# Altium PCB MiniPC.PcbDoc (part 2 of 23) (continued)
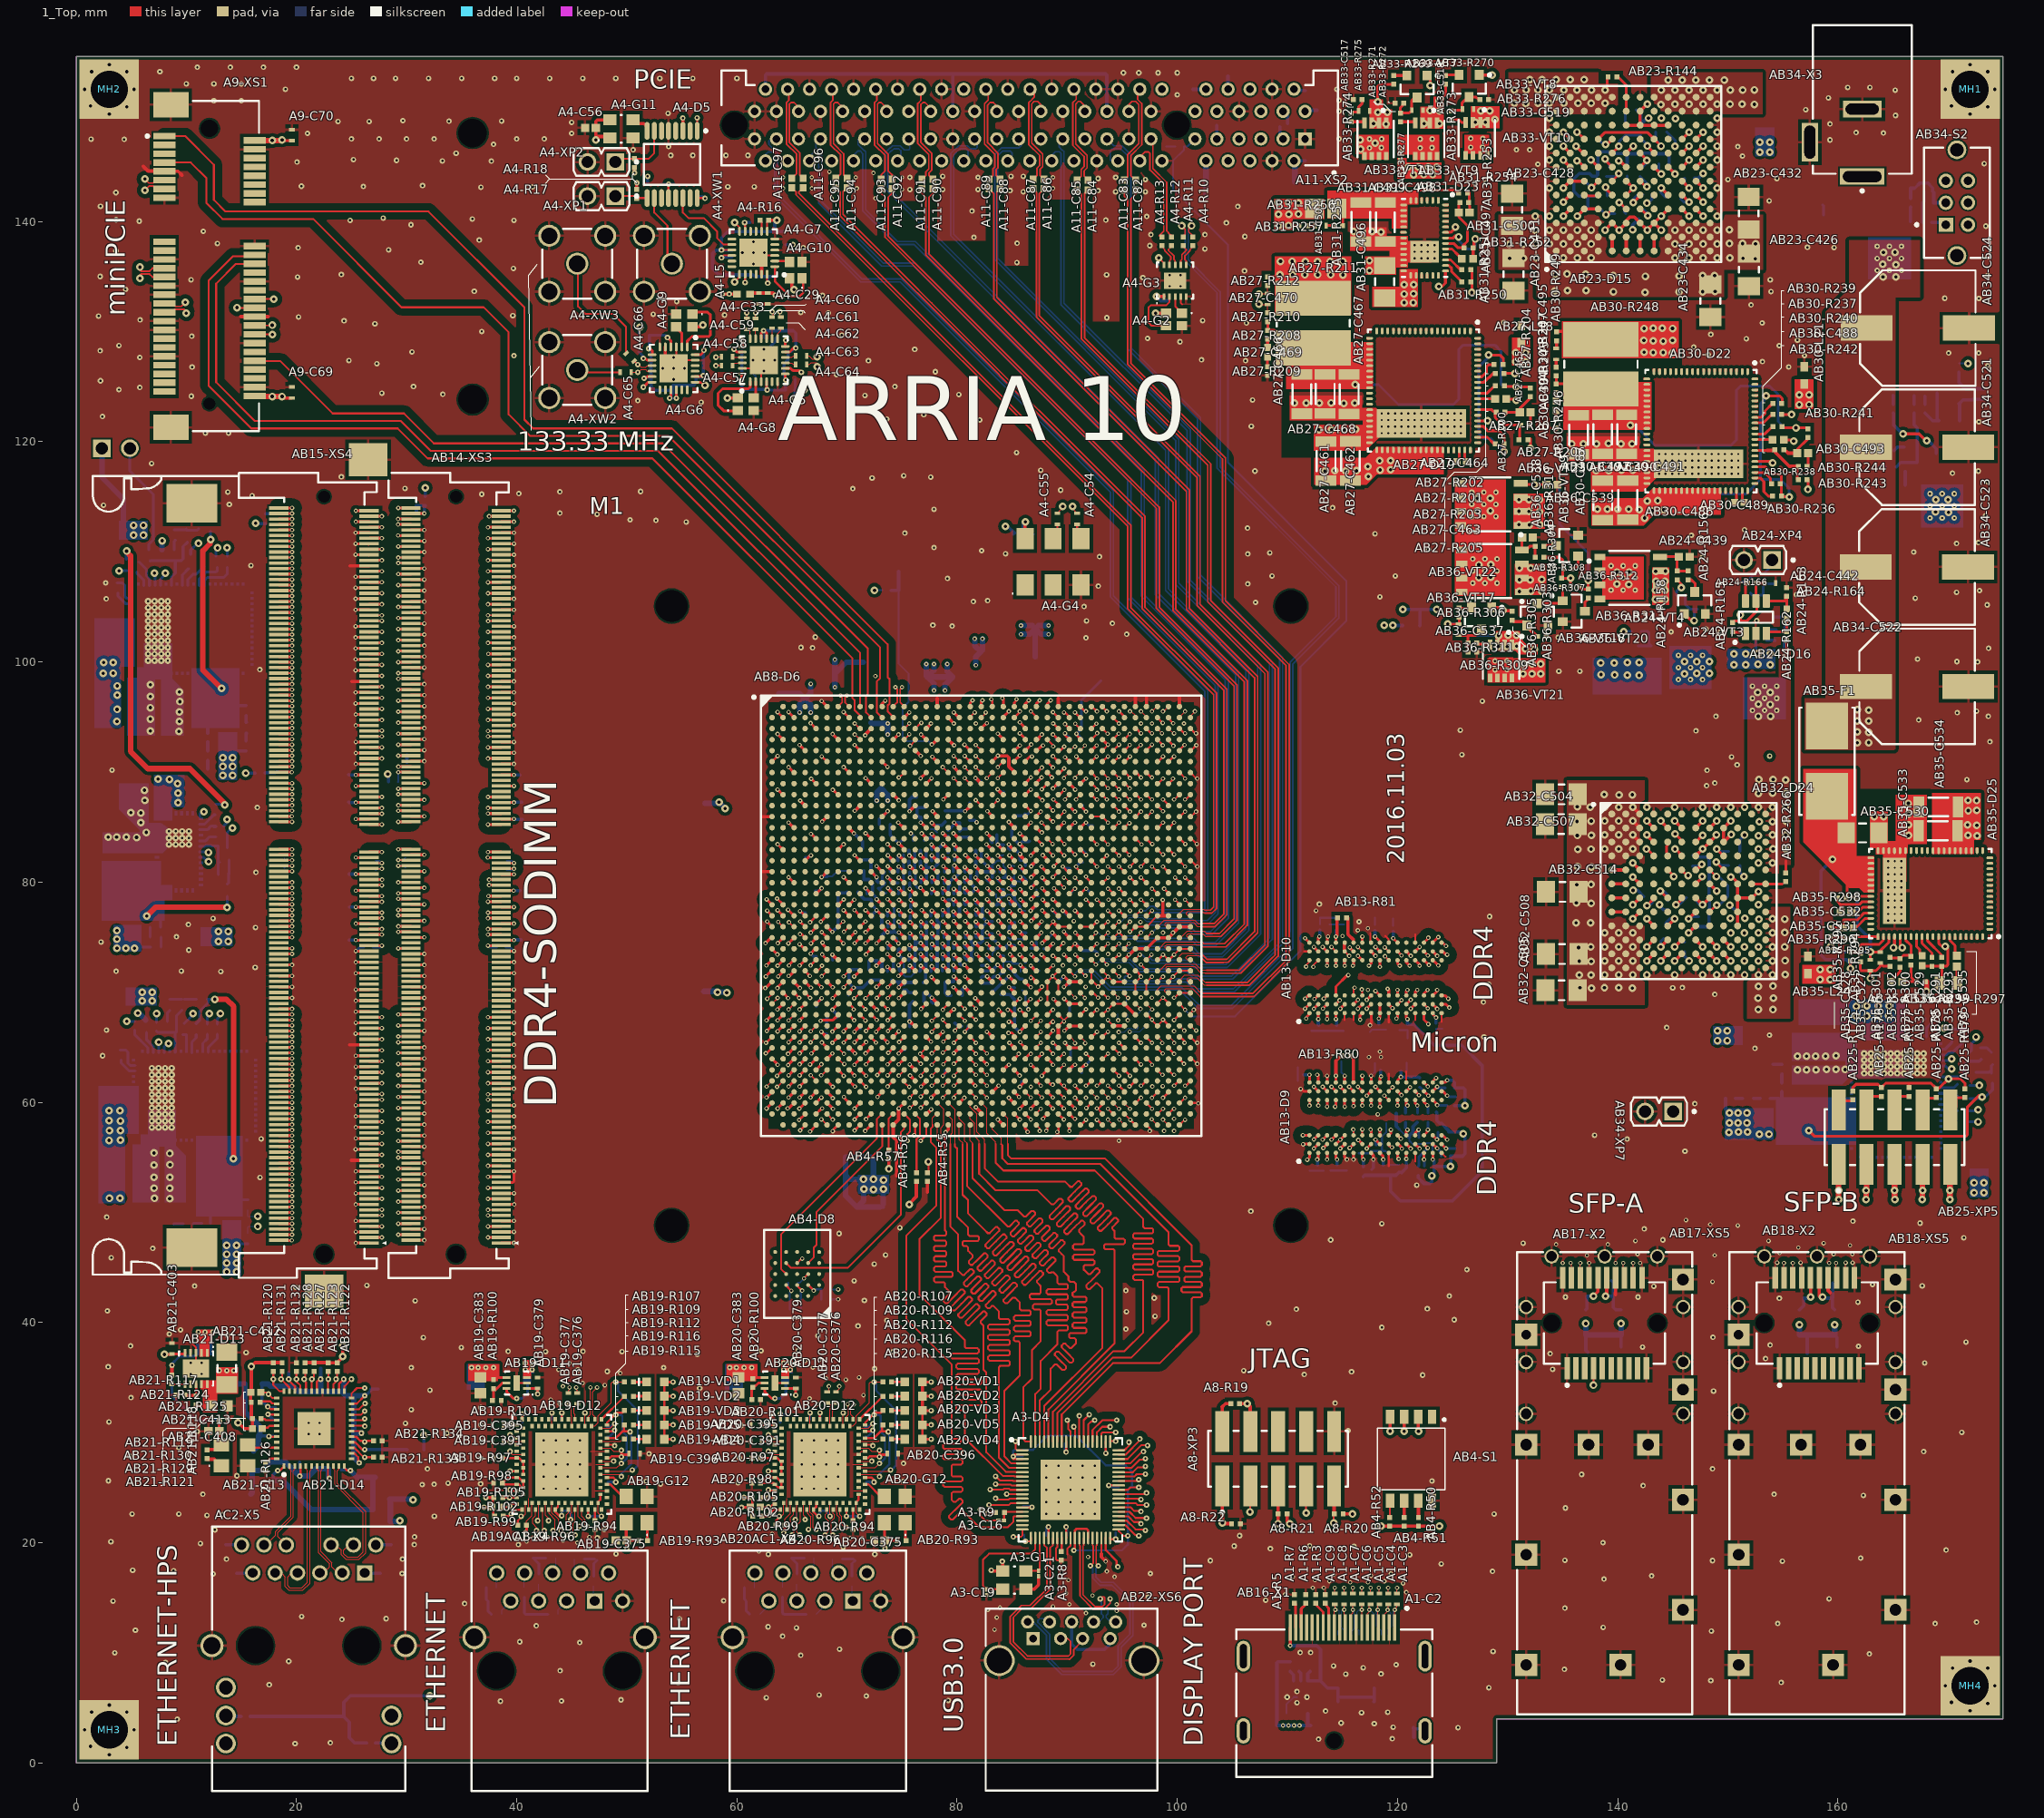
[diagram p0: 1_Top view]
## Classes and differential pairs (continued)
differential pair SFPB_RX: +2SFP_RX_P -2SFP_RX_N
differential pair SFPB_TX: +2SFP_TX_P -2SFP_TX_N
differential pair DDR4_SODIMM_CK0: +DDR4_BLK1.CTRL.CK0_P -DDR4_BLK1.CTRL.CK0_N
differential pair DDR4_SODIMM_CK1: +DDR4_BLK1.CTRL.CK1_P -DDR4_BLK1.CTRL.CK1_N
differential pair DDR4_SODIMM_DQS0: +DDR4_BLK1.DL1.DQS0_P -DDR4_BLK1.DL1.DQS0_N
differential pair DDR4_SODIMM_DQS1: +DDR4_BLK1.DL2.DQS1_P -DDR4_BLK1.DL2.DQS1_N
differential pair DDR4_SODIMM_DQS2: +DDR4_BLK1.DL3.DQS2_P -DDR4_BLK1.DL3.DQS2_N
differential pair DDR4_SODIMM_DQS3: +DDR4_BLK1.DL4.DQS3_P -DDR4_BLK1.DL4.DQS3_N
differential pair DDR4_SODIMM_DQS4: +DDR4_BLK1.DL5.DQS4_P -DDR4_BLK1.DL5.DQS4_N
differential pair DDR4_SODIMM_DQS5: +DDR4_BLK1.DL6.DQS5_P -DDR4_BLK1.DL6.DQS5_N
differential pair DDR4_SODIMM_DQS6: +DDR4_BLK1.DL7.DQS6_P -DDR4_BLK1.DL7.DQS6_N
differential pair DDR4_SODIMM_DQS7: +DDR4_BLK1.DL8.DQS7_P -DDR4_BLK1.DL8.DQS7_N
differential pair DDR4_SODIMM_CK2: +DDR4_BLK2.CTRL.CK0_P -DDR4_BLK2.CTRL.CK0_N
differential pair DDR4_SODIMM_CK3: +DDR4_BLK2.CTRL.CK1_P -DDR4_BLK2.CTRL.CK1_N
differential pair CLK_DIFF1: +CLK_DIFF1_P -CLK_DIFF1_N
differential pair CLK_DIFF2: +CLK_DIFF2_P -CLK_DIFF2_N
differential pair ENET_REFCLK_C: +ENET_REFCLK_C_P -ENET_REFCLK_C_N
differential pair REFCLK0_FMCB_C: +REFCLK0_FMCB_C_P -REFCLK0_FMCB_C_N
differential pair REFCLK1_FMCB_C: +REFCLK1_FMCB_C_P -REFCLK1_FMCB_C_N
differential pair REFCLK_DP_C: +REFCLK_DP_C_P -REFCLK_DP_C_N
differential pair MINI_PCIE_PER: +MINI_PCIE_PER_P -MINI_PCIE_PER_N
differential pair MINIPCIE_PET: +MINIPCIE_PET_P -MINIPCIE_PET_N
differential pair MINIPCIE_REFCLK: +MINIPCIE_REFCLK_P -MINIPCIE_REFCLK_N
differential pair A10_HLVDDI: +HLVDDI_P -HLVDDI_N

## Components (designator, comment, footprint, x,y, rotation, side; value= is the part's Value field where it differs from the comment)
A1-C1 "GRM188R61A225KE34x" CAPC1608X90X35ML10T15 112.85,3.4 r0 bottom locked (schematic designator C1)
A1-C2 "C1005X7R1E104M" CAPC1005X55X10LL05 119.95,14.9 r270 top (schematic designator C2)
A1-C3 "C1005X7R1E104M" CAPC1005X55X10LL05 119.15,14.9 r270 top (schematic designator C3)
A1-C4 "C1005X7R1E104M" CAPC1005X55X10LL05 118.35,14.9 r270 top (schematic designator C4)
A1-C5 "C1005X7R1E104M" CAPC1005X55X10LL05 117.55,14.9 r270 top (schematic designator C5)
A1-C6 "C1005X7R1E104M" CAPC1005X55X10LL05 116.75,14.9 r270 top (schematic designator C6)
A1-C7 "C1005X7R1E104M" CAPC1005X55X10LL05 115.95,14.9 r270 top (schematic designator C7)
A1-C8 "C1005X7R1E104M" CAPC1005X55X10LL05 115.15,14.9 r270 top (schematic designator C8)
A1-C9 "C1005X7R1E104M" CAPC1005X55X10LL05 114.3,14.9 r270 top (schematic designator C9)
A1-C10 "C1005X7R1E104M" CAPC1005X55X10LL05 112.05,8.8 r270 bottom locked (schematic designator C10)
A1-C11 "C1005X7R1E104M" CAPC1005X55X10LL05 117.85,5.05 r90 bottom (schematic designator C11)
A1-C12 "C1005X7R1E104M" CAPC1005X55X10LL05 114.6,5.075 r90 bottom (schematic designator C12)
A1-C13 "GRM155R71H472KA01D" CAPC1005X55X25NL05T10 121.05,2.3 r0 bottom locked (schematic designator C13)
A1-D1 "MAX14523AATA+" MAXM-T833+2_V 110.875,5.975 r270 bottom locked (schematic designator D1)
A1-D2 "82401646" MSOP-8L 118.85,9.2 r270 bottom locked (schematic designator D2)
A1-D3 "82401646" MSOP-8L 115.55,9.2 r270 bottom locked (schematic designator D3)
A1-R1 "ERJ-2RKF2803X" RESC1005X40X25LL05T05 111.15,8.8 r90 bottom locked (schematic designator R1)
A1-R2 "ERJ-2RKF1003X" RESC1005X40X25LL05T05 110.25,8.8 r90 bottom locked (schematic designator R2)
A1-R3 "ERJ-2RKF1004X" RESC1005X40X25LL05T05 113.45,14.9 r270 top (schematic designator R3)
A1-R4 "ERJ-2RKF1004X" RESC1005X40X25LL05T05 121.05,3.1 r0 bottom locked (schematic designator R4)
A1-R5 "ERJ-2GE0R00X" RESC1005X40X25LL05T05 110.65,14.9 r270 top (schematic designator R5)
A1-R6 "ERJ-2RKF1004X" RESC1005X40X25LL05T05 112.55,14.9 r270 top (schematic designator R6)
A1-R7 "ERJ-2RKF1003X" RESC1005X40X25LL05T05 111.65,14.9 r270 top (schematic designator R7)
A3-C14 "GRM033R60J104KE19D" CAPC0603X33X15LL03T05 93.1,14.095 r270 bottom locked (schematic designator C14)
A3-C15 "GRM033R60J104KE19D" CAPC0603X33X15LL03T05 93.7,14.095 r270 bottom locked (schematic designator C15)
A3-C16 "GRM033R60J104KE19D" CAPC0603X33X15LL03T05 84,22.025 r0 top (schematic designator C16)
A3-C17 "GRM033R60J104KE19D" CAPC0603X33X15LL03T05 92.7,10 r90 bottom locked (schematic designator C17)
A3-C18 "C1005X7R1E104M" CAPC1005X55X10LL05 89.3,29.025 r0 bottom locked (schematic designator C18)
A3-C19 "GRM033R60J104KE19D" CAPC0603X33X15LL03T05 82.675,15.5 r90 top (schematic designator C19)
A3-C20 "C1005X7R1E104M" CAPC1005X55X10LL05 86,23.825 r270 bottom locked (schematic designator C20)
A3-C21 "GRM033R60J104KE19D" CAPC0603X33X15LL03T05 87.4,17.2 r90 top (schematic designator C21)
A3-C22 "C1005X7R1E104M" CAPC1005X55X10LL05 86.1,21.225 r270 bottom locked (schematic designator C22)
A3-C23 "C1005X7R1E104M" CAPC1005X55X10LL05 93,28.925 r0 bottom locked (schematic designator C23)
A3-C24 "C1005X7R1E104M" CAPC1005X55X10LL05 90.5,20.625 r180 bottom locked (schematic designator C24)
A3-C25 "C1005X7R1E104M" CAPC1005X55X10LL05 94.7,24.525 r90 bottom locked (schematic designator C25)
A3-C26 "C1005X7R1E104M" CAPC1005X55X10LL05 87.6,20.625 r0 bottom locked (schematic designator C26)
A3-C27 "C1005X7R1E104M" CAPC1005X55X10LL05 94.4,21.425 r270 bottom locked (schematic designator C27)
A3-C28 "GRM033R60J104KE19D" CAPC0603X33X15LL03T05 86.2,27.825 r0 bottom locked (schematic designator C28)
A3-D4 "FT601Q" FTDI-QFN-76_M 90.3,24.8 r0 top locked (schematic designator D4)
A3-G1 "ASE2-33.000MHZ-ET" ABRA-ASE2_V 85.2,16.6 r0 top (schematic designator G1)
A3-R8 "ERJ-2RKF1651X" RESC1005X40X25LL05T05 89.475,18.8 r270 top (schematic designator R8)
A3-R9 "ERJ-2RKF1002X" RESC1005X40X25LL05T05 83.9,22.725 r0 top (schematic designator R9)
A4-C29 "C1005X7R1E104M" CAPC1005X55X10LL05 62.8,133 r90 top (schematic designator C29)
A4-C30 "C1005X7R1E104M" CAPC1005X55X10LL05 64.15,128.2 r180 bottom locked (schematic designator C30)
A4-C31 "C1005X7R1E104M" CAPC1005X55X10LL05 52.8,124.2 r270 bottom locked (schematic designator C31)
A4-C32 "C1005X7R1E104M" CAPC1005X55X10LL05 97.8,136 r0 bottom locked (schematic designator C32)
A4-C33 "C1005X7R1E104M" CAPC1005X55X10LL05 62,133 r90 top (schematic designator C33)
A4-C34 "C1005X7R1E104M" CAPC1005X55X10LL05 63.8,126.25 r180 bottom locked (schematic designator C34)
A4-C35 "C1005X7R1E104M" CAPC1005X55X10LL05 55.8,125.85 r180 bottom locked (schematic designator C35)
A4-C36 "GRM188R61A225KE34x" CAPC1608X90X35ML10T15 99.8,132.8 r180 bottom locked (schematic designator C36)
A4-C37 "C2012X5R1C106K085AC" CAPC2013X100X20NL20 86.36,109.625 r90 bottom locked (schematic designator C37)
A4-C38 "C1005X7R1E104M" CAPC1005X55X10LL05 62.645,138.575 r90 bottom locked (schematic designator C38)
A4-C39 "C1005X7R1E104M" CAPC1005X55X10LL05 63.05,129.4 r0 bottom locked (schematic designator C39)
A4-C40 "C1005X7R1E104M" CAPC1005X55X10LL05 56,127.85 r180 bottom locked (schematic designator C40)
A4-C41 "C1005X7R1E104M" CAPC1005X55X10LL05 62.8,135.5 r270 bottom locked (schematic designator C41)
A4-C42 "C1005X7R1E104M" CAPC1005X55X10LL05 87.41,111.6 r180 bottom locked (schematic designator C42)
A4-C43 "C1005X7R1E104M" CAPC1005X55X10LL05 60.95,128.2 r0 bottom locked (schematic designator C43)
A4-C44 "C1005X7R1E104M" CAPC1005X55X10LL05 54.5,128.75 r0 bottom locked (schematic designator C44)
A4-C45 "C1005X7R1E104M" CAPC1005X55X10LL05 59.545,136.275 r90 bottom locked (schematic designator C45)
A4-C46 "C1005X7R1E104M" CAPC1005X55X10LL05 63.445,138.575 r90 bottom locked (schematic designator C46)
A4-C47 "C1005X7R1E104M" CAPC1005X55X10LL05 61,126.15 r0 bottom locked (schematic designator C47)
A4-C48 "C1005X7R1E104M" CAPC1005X55X10LL05 52.7,127.55 r0 bottom locked (schematic designator C48)
A4-C49 "C1005X7R1E104M" CAPC1005X55X10LL05 61.7,139.9 r180 bottom locked (schematic designator C49)
A4-C50 "C1005X7R1E104M" CAPC1005X55X10LL05 59.6,137.9 r270 bottom locked (schematic designator C50)
A4-C51 "C1005X7R1E104M" CAPC1005X55X10LL05 62.2,125.45 r180 bottom locked (schematic designator C51)
A4-C52 "C1005X7R1E104M" CAPC1005X55X10LL05 52.7,125.85 r0 bottom locked (schematic designator C52)
A4-C53 "C1005X7R1E104M" CAPC1005X55X10LL05 63.6,135.5 r270 bottom locked (schematic designator C53)
A4-C54 "C1005X7R1E104M" CAPC1005X55X10LL05 90.9,113 r270 top (schematic designator C54)
A4-C55 "C1005X7R1E104M" CAPC1005X55X10LL05 89.1,113 r270 top (schematic designator C55)
A4-C56 "GRM155R71H103KA88D" CAPC1005X55X25ML05T10 46.7,148.5 r0 top (schematic designator C56)
A4-C57 "C1005X7R1E104M" CAPC1005X55X10LL05 59.1,126.9 r180 top (schematic designator C57)
A4-C58 "C1005X7R1E104M" CAPC1005X55X10LL05 59.1,127.7 r180 top (schematic designator C58)
A4-C59 "C1005X7R1E104M" CAPC1005X55X10LL05 60.9,130.7 r90 top (schematic designator C59)
A4-C60 "C1005X7R1E104M" CAPC1005X55X10LL05 61.7,130.7 r90 top (schematic designator C60)
A4-C61 "C1005X7R1E104M" CAPC1005X55X10LL05 63.2,130.8 r90 top (schematic designator C61)
A4-C62 "C1005X7R1E104M" CAPC1005X55X10LL05 64,130.8 r90 top (schematic designator C62)
A4-C63 "C1005X7R1E104M" CAPC1005X55X10LL05 65.85,127.8 r0 top (schematic designator C63)
A4-C64 "C1005X7R1E104M" CAPC1005X55X10LL05 65.85,127 r0 top (schematic designator C64)
A4-C65 "C1005X7R1E104M" CAPC1005X55X10LL05 49.9,126.3 r180 top (schematic designator C65)
A4-C66 "C1005X7R1E104M" CAPC1005X55X10LL05 50.3,127.675 r135 top (schematic designator C66)
A4-C67 "C1005X7R1E104M" CAPC1005X55X10LL05 56.4,142.8 r270 bottom locked (schematic designator C67)
A4-C68 "C1005X7R1E104M" CAPC1005X55X10LL05 54.8,143.4 r180 bottom locked (schematic designator C68)
A4-D5 "ICS83054AGILF" IDT-TSSOP-16_M 54.12,145.176 r270 top (schematic designator D5)
A4-G2 "FA-128 25.0000MB-C" EPSON-FA-128_V 99.7,131.1 r180 top (schematic designator G2)
A4-G3 "Si52112-A1-GM2" SLAB-TDFN-10_L 99.8,134.615 r90 top locked (schematic designator G3)
A4-G4 "516FHA000132AAG" SLAB-DFN-6-5000X7000DE_A_V 88.71,109.1 r90 top (schematic designator G4)
A4-G5 "Si5338B-B03799-GM" SLAB-QFN-24-2550x2550TP_V 62.45,127.4 r90 top locked (schematic designator G5)
A4-G6 "Si5338B-B03799-GM" SLAB-QFN-24-2550x2550TP_V 54.25,126.65 r270 top locked (schematic designator G6)
A4-G7 "Si5338C-B03798-GM" SLAB-QFN-24-2550x2550TP_V 61.495,137.15 r180 top locked (schematic designator G7)
A4-G8 "FA-128 25.0000MB-C" EPSON-FA-128_V 60.8,123.4 r0 top (schematic designator G8)
A4-G9 "FA-128 25.0000MB-C" EPSON-FA-128_V 55.22,131 r180 top (schematic designator G9)
A4-G10 "FA-128 25.0000MB-C" EPSON-FA-128_V 65.345,135.575 r90 top (schematic designator G10)
A4-G11 "ASE2-33.000MHZ-ET" ABRA-ASE2_V 49.5,148.4 r0 top (schematic designator G11)
A4-L1 "BLM15AG221SN1J" MURA-BLM15-CHIP-2_V 64.85,124.7 r0 bottom locked (schematic designator L1)
A4-L2 "BLM15AG221SN1x" MURA-BLM15AG221SN1x_V 51.6,129.65 r180 bottom locked (schematic designator L2)
A4-L3 "742792780" SMD-0402 64.445,138.475 r270 bottom locked (schematic designator L3)
A4-L4 "BLM15AG221SN1x" MURA-BLM15AG221SN1x_V 85.539,111.6 r180 bottom locked (schematic designator L4)
A4-L5 "742792780" SMD-0402 60.6,133.4 r0 top (schematic designator L5)
A4-L6 "742792780" SMD-0402 52.5,143.4 r180 bottom locked (schematic designator L6)
A4-R10 "ERJ-2GE0R00X" RESC1005X40X25LL05T05 101.4,138.2 r90 top (schematic designator R10)
A4-R11 "ERJ-2GE0R00X" RESC1005X40X25LL05T05 100.55,138.2 r90 top (schematic designator R11)
A4-R12 "ERJ-2GE0R00X" RESC1005X40X25LL05T05 99.45,138.2 r90 top (schematic designator R12)
A4-R13 "ERJ-2GE0R00X" RESC1005X40X25LL05T05 98.6,138.2 r90 top (schematic designator R13)
A4-R14 "ERJ-2RKF4701X" RESC1005X40X25LL05T05 65.3,126.05 r90 bottom locked (schematic designator R14)
A4-R15 "ERJ-2RKF4701X" RESC1005X40X25LL05T05 51.1,128.55 r270 bottom locked (schematic designator R15)
A4-R16 "ERJ-2RKF1001X" RESC1005X40X25LL05T05 62.5,140.1 r180 top (schematic designator R16)
A4-R17 "ERJ-2RKF1001X" RESC1005X40X25LL05T05 50.9,142.5 r270 top (schematic designator R17)
A4-R18 "ERJ-2RKF1001X" RESC1005X40X25LL05T05 50.7,145.3 r90 top (schematic designator R18)
A4-XP1 "613 002 111 21" WE-61300211121_V 47.7,142.3 r180 top locked (schematic designator XP1)
A4-XP2 "613 002 111 21" WE-61300211121_V 47.7,145.4 r180 top locked (schematic designator XP2)
A4-XW1 "LTI-SASF54GT" LHT-LTI-SASF54GT_V 54.1,136.16 r180 top locked (schematic designator XW1)
A4-XW2 "LTI-SASF54GT" LHT-LTI-SASF54GT_V 45.5,126.5 r90 top locked (schematic designator XW2)
A4-XW3 "LTI-SASF54GT" LHT-LTI-SASF54GT_V 45.5,136.16 r90 top locked (schematic designator XW3)
A8-R19 "ERJ-2RKF1001X" RESC1005X40X25LL05T05 105.26,32.625 r0 top (schematic designator R19)
A8-R20 "ERJ-2RKF1001X" RESC1005X40X25LL05T05 114.66,22.625 r180 top (schematic designator R20)
A8-R21 "ERJ-2RKF1001X" RESC1005X40X25LL05T05 109.56,22.625 r180 top (schematic designator R21)
A8-R22 "ERJ-2RKF1001X" RESC1005X40X25LL05T05 105.325,21.725 r180 top (schematic designator R22)
A8-XP3 "TSM-105-01-T-DV-TR" SMTC-TSM-105-01-T-DV_V 109.16,27.625 r0 top (schematic designator XP3)
A9-C69 "C1005X7R1E104M" CAPC1005X55X10LL05 19.583,124.46 r270 top (schematic designator C69)
A9-C70 "C1005X7R1E104M" CAPC1005X55X10LL05 19.583,147.828 r90 top (schematic designator C70)
A9-XS1 "292443-1" BTB-SM0-8-2H52F 12.1,135.95 r270 top locked (schematic designator XS1)
A11-C71 "GRM31CR61E226KE15L" CAPC3216X180X55ML20T25 109.2,143.6 r0 bottom locked (schematic designator C71)
A11-C72 "C1005X7R1E104M" CAPC1005X55X10LL05 108.8,148.6 r0 bottom locked (schematic designator C72)
A11-C73 "C1005X7R1E104M" CAPC1005X55X10LL05 101.4,152.5 r270 bottom locked (schematic designator C73)
A11-C74 "C1005X7R1E104M" CAPC1005X55X10LL05 110.5,148.9 r180 bottom locked (schematic designator C74)
A11-C75 "C1005X7R1E104M" CAPC1005X55X10LL05 113.2,150.1 r180 bottom locked (schematic designator C75)
A11-C76 "C1005X7R1E104M" CAPC1005X55X10LL05 112.1,145.5 r180 bottom locked (schematic designator C76)
A11-C77 "C1005X7R1E104M" CAPC1005X55X10LL05 112.1,151.9 r180 bottom locked (schematic designator C77)
A11-C78 "C1005X7R1E104M" CAPC1005X55X10LL05 104.1,153.2 r0 bottom locked (schematic designator C78)
A11-C79 "C1005X7R1E104M" CAPC1005X55X10LL05 103.1,148.7 r0 bottom locked (schematic designator C79)
A11-C80 "C1005X7R1E104M" CAPC1005X55X10LL05 103.1,142 r180 bottom locked (schematic designator C80)
A11-C81 "GRM31CR60J107ME39L" CAPC3216X190X55ML30T25 104.1,143.6 r180 bottom locked (schematic designator C81)
A11-C82 "GRM155R61A224KE19D" CAPC1005X55X25NL05T10 96.2,143.3 r90 top (schematic designator C82)
A11-C83 "GRM155R61A224KE19D" CAPC1005X55X25NL05T10 95.2,143.3 r90 top (schematic designator C83)
A11-C84 "GRM155R61A224KE19D" CAPC1005X55X25NL05T10 91.9,143.3 r90 top (schematic designator C84)
A11-C85 "GRM155R61A224KE19D" CAPC1005X55X25NL05T10 90.9,143.3 r90 top (schematic designator C85)
A11-C86 "GRM155R61A224KE19D" CAPC1005X55X25NL05T10 87.9,143.4 r90 top (schematic designator C86)
A11-C87 "GRM155R61A224KE19D" CAPC1005X55X25NL05T10 86.9,143.4 r90 top (schematic designator C87)
A11-C88 "GRM155R61A224KE19D" CAPC1005X55X25NL05T10 83.9,143.4 r90 top (schematic designator C88)
A11-C89 "GRM155R61A224KE19D" CAPC1005X55X25NL05T10 82.9,143.4 r90 top (schematic designator C89)
A11-C90 "GRM155R61A224KE19D" CAPC1005X55X25NL05T10 77.8,143.4 r90 top (schematic designator C90)
A11-C91 "GRM155R61A224KE19D" CAPC1005X55X25NL05T10 76.8,143.4 r90 top (schematic designator C91)
A11-C92 "GRM155R61A224KE19D" CAPC1005X55X25NL05T10 74.1,143.4 r90 top (schematic designator C92)
A11-C93 "GRM155R61A224KE19D" CAPC1005X55X25NL05T10 73.1,143.4 r90 top (schematic designator C93)
A11-C94 "GRM155R61A224KE19D" CAPC1005X55X25NL05T10 70,143.5 r90 top (schematic designator C94)
A11-C95 "GRM155R61A224KE19D" CAPC1005X55X25NL05T10 69,143.5 r90 top (schematic designator C95)
A11-C96 "GRM155R61A224KE19D" CAPC1005X55X25NL05T10 66,143.5 r90 top (schematic designator C96)
A11-C97 "GRM155R61A224KE19D" CAPC1005X55X25NL05T10 65,143.5 r90 top (schematic designator C97)
A11-R23 "ERJ-2RKF4701X" RESC1005X40X25LL05T05 100.2,146.8 r180 bottom locked (schematic designator R23)
A11-XS2 "PCIE-098-02-F-D-TH" SMTC-PCIE-098-02-F-D-TH_V 86.583,148.75 r0 top locked (schematic designator XS2)
AB1-C98 "GRM033R60J104KE19D" CAPC0603X33X15LL03T05 73.45,73.95 r0 bottom locked (schematic designator C98)
AB1-C99 "GRM033R60J104KE19D" CAPC0603X33X15LL03T05 84.2,73.975 r0 bottom locked (schematic designator C99)
AB1-C100 "GRM033R60J104KE19D" CAPC0603X33X15LL03T05 83.075,71.925 r0 bottom locked (schematic designator C100)
AB1-C101 "GRM033R60J104KE19D" CAPC0603X33X15LL03T05 85.225,72.85 r90 bottom locked (schematic designator C101)
AB1-C102 "GRM033R60J104KE19D" CAPC0603X33X15LL03T05 84.2,72.025 r270 bottom locked (schematic designator C102)
AB1-C103 "GRM033R60J104KE19D" CAPC0603X33X15LL03T05 83.2,73.1 r270 bottom locked (schematic designator C103)
AB1-C104 "GRM033R60J104KE19D" CAPC0603X33X15LL03T05 79.975,73.975 r180 bottom locked (schematic designator C104)
AB1-C105 "GRM033R60J104KE19D" CAPC0603X33X15LL03T05 82.025,75.925 r180 bottom locked (schematic designator C105)
AB1-C106 "GRM31CR60J107ME39L" CAPC3216X190X55ML30T25 132.86,80.73 r0 bottom (schematic designator C106)
AB1-C107 "GRM31CR60J107ME39L" CAPC3216X190X55ML30T25 66.175,98.125 r270 bottom locked (schematic designator C107)
AB1-C108 "GRM31CR60J107ME39L" CAPC3216X190X55ML30T25 55.625,87.15 r0 bottom locked (schematic designator C108)
AB1-C109 "GRM31CR60J107ME39L" CAPC3216X190X55ML30T25 55.525,70.075 r0 bottom locked (schematic designator C109)
AB1-C110 "GRM033R60J104KE19D" CAPC0603X33X15LL03T05 87.55,77.95 r180 bottom locked (schematic designator C110)
AB1-C111 "GRM033R60J104KE19D" CAPC0603X33X15LL03T05 87.525,80.95 r180 bottom locked (schematic designator C111)
AB1-C112 "GRM033R60J104KE19D" CAPC0603X33X15LL03T05 85.075,82.925 r180 bottom locked (schematic designator C112)
AB1-C113 "GRM033R60J104KE19D" CAPC0603X33X15LL03T05 80.975,79.975 r180 bottom locked (schematic designator C113)
AB1-C114 "GRM033R60J104KE19D" CAPC0603X33X15LL03T05 85.45,82 r180 bottom locked (schematic designator C114)
AB1-C115 "GRM033R60J104KE19D" CAPC0603X33X15LL03T05 80.975,80.925 r180 bottom locked (schematic designator C115)
AB1-C116 "GRM033R60J104KE19D" CAPC0603X33X15LL03T05 85.225,79.95 r270 bottom locked (schematic designator C116)
AB1-C117 "GRM033R60J104KE19D" CAPC0603X33X15LL03T05 84.2,82.2 r90 bottom locked (schematic designator C117)
AB1-C118 "GRM033R60J104KE19D" CAPC0603X33X15LL03T05 79.175,84.425 r270 bottom locked (schematic designator C118)
AB1-C119 "GRM033R60J104KE19D" CAPC0603X33X15LL03T05 84.175,77.25 r270 bottom locked (schematic designator C119)
AB1-C120 "GRM31CR60J107ME39L" CAPC3216X190X55ML30T25 82.15,102.4 r270 bottom locked (schematic designator C120)
AB1-C121 "GRM31CR60J107ME39L" CAPC3216X190X55ML30T25 73.1,90 r270 bottom locked (schematic designator C121)
AB1-C122 "GRM033R60J104KE19D" CAPC0603X33X15LL03T05 81.025,78.975 r180 bottom locked (schematic designator C122)
AB1-C123 "GRM033R60J104KE19D" CAPC0603X33X15LL03T05 83.325,77.925 r180 bottom locked (schematic designator C123)
AB1-C124 "GRM033R60J104KE19D" CAPC0603X33X15LL03T05 86.4,79 r180 bottom locked (schematic designator C124)
AB1-C125 "GRM033R60J104KE19D" CAPC0603X33X15LL03T05 83.275,78.9 r180 bottom locked (schematic designator C125)
AB1-C126 "GRM033R60J104KE19D" CAPC0603X33X15LL03T05 87.2,79.575 r90 bottom locked (schematic designator C126)
AB1-C127 "GRM033R60J104KE19D" CAPC0603X33X15LL03T05 85.2,78.925 r90 bottom locked (schematic designator C127)
AB1-C128 "GRM033R60J104KE19D" CAPC0603X33X15LL03T05 86.175,77.65 r90 bottom locked (schematic designator C128)
AB1-C129 "GRM033R60J104KE19D" CAPC0603X33X15LL03T05 84.2,79.025 r90 bottom locked (schematic designator C129)
AB1-C130 "GRM033R60J104KE19D" CAPC0603X33X15LL03T05 77.975,82.95 r180 bottom locked (schematic designator C130)
AB1-C131 "GRM033R60J104KE19D" CAPC0603X33X15LL03T05 79.95,76.925 r180 bottom locked (schematic designator C131)
AB1-C132 "GRM31CR60J107ME39L" CAPC3216X190X55ML30T25 88.575,103.025 r180 bottom locked (schematic designator C132)
AB1-C133 "GRM31CR60J107ME39L" CAPC3216X190X55ML30T25 72.194,95.939 r270 bottom locked (schematic designator C133)
AB1-C134 "GRM033R60J104KE19D" CAPC0603X33X15LL03T05 83.2,81.9 r90 bottom locked (schematic designator C134)
AB1-C135 "GRM033R60J104KE19D" CAPC0603X33X15LL03T05 84.6,77.975 r0 bottom locked (schematic designator C135)
AB1-C136 "GRM033R60J104KE19D" CAPC0603X33X15LL03T05 88.2,79.625 r90 bottom locked (schematic designator C136)
AB1-C137 "GRM033R60J104KE19D" CAPC0603X33X15LL03T05 83.65,80.925 r0 bottom locked (schematic designator C137)
AB1-C138 "GRM033R60J104KE19D" CAPC0603X33X15LL03T05 81.95,81.9 r180 bottom locked (schematic designator C138)
AB1-C139 "GRM033R60J104KE19D" CAPC0603X33X15LL03T05 87.475,81.95 r180 bottom locked (schematic designator C139)
AB1-C140 "GRM033R60J104KE19D" CAPC0603X33X15LL03T05 81.95,82.9 r180 bottom locked (schematic designator C140)
AB1-C141 "GRM033R60J104KE19D" CAPC0603X33X15LL03T05 78.95,78.95 r180 bottom locked (schematic designator C141)
AB1-C142 "GRM033R60J104KE19D" CAPC0603X33X15LL03T05 80.1,82.95 r180 bottom locked (schematic designator C142)
AB1-C143 "GRM033R60J104KE19D" CAPC0603X33X15LL03T05 73.425,76.925 r0 bottom locked (schematic designator C143)
AB1-C144 "GRM31CR60J107ME39L" CAPC3216X190X55ML30T25 132.86,83.09 r0 bottom (schematic designator C144)
AB1-C145 "GRM31CR60J107ME39L" CAPC3216X190X55ML30T25 68.9,100.4 r270 bottom locked (schematic designator C145)
AB1-C146 "GRM033R60J104KE19D" CAPC0603X33X15LL03T05 86.2,81.25 r270 bottom locked (schematic designator C146)
AB1-C147 "GRM033R60J104KE19D" CAPC0603X33X15LL03T05 83.175,83.35 r270 bottom locked (schematic designator C147)
AB1-C148 "GRM033R60J104KE19D" CAPC0603X33X15LL03T05 79.975,78.95 r180 bottom locked (schematic designator C148)
AB1-C149 "GRM033R60J104KE19D" CAPC0603X33X15LL03T05 83.225,71.075 r90 bottom locked (schematic designator C149)
AB1-C150 "GRM033R60J104KE19D" CAPC0603X33X15LL03T05 78.1,75.95 r180 bottom locked (schematic designator C150)
AB1-C151 "GRM033R60J104KE19D" CAPC0603X33X15LL03T05 75.15,72.825 r90 bottom locked (schematic designator C151)
AB1-C152 "GRM033R60J104KE19D" CAPC0603X33X15LL03T05 73.425,71.875 r0 bottom locked (schematic designator C152)
AB1-C153 "GRM033R60J104KE19D" CAPC0603X33X15LL03T05 75.85,71.875 r180 bottom locked (schematic designator C153)
AB1-C154 "GRM033R60J104KE19D" CAPC0603X33X15LL03T05 80.05,81.975 r180 bottom locked (schematic designator C154)
AB1-C155 "GRM033R60J104KE19D" CAPC0603X33X15LL03T05 85.225,76.575 r90 bottom locked (schematic designator C155)
AB1-C156 "GRM31CR60J107ME39L" CAPC3216X190X55ML30T25 70.9,49 r90 bottom locked (schematic designator C156)
AB1-C157 "GRM31CR60J107ME39L" CAPC3216X190X55ML30T25 79.6,100.1 r270 bottom locked (schematic designator C157)
AB1-C158 "GRM033R60J104KE19D" CAPC0603X33X15LL03T05 82.225,71.1 r90 bottom locked (schematic designator C158)
AB1-C159 "GRM033R60J104KE19D" CAPC0603X33X15LL03T05 86,79.975 r0 bottom locked (schematic designator C159)
AB1-C160 "GRM033R60J104KE19D" CAPC0603X33X15LL03T05 85.2,81.2 r90 bottom locked (schematic designator C160)
AB1-C161 "GRM033R60J104KE19D" CAPC0603X33X15LL03T05 82.05,77.975 r180 bottom locked (schematic designator C161)
AB1-C162 "GRM033R60J104KE19D" CAPC0603X33X15LL03T05 79.175,82.425 r270 bottom locked (schematic designator C162)
AB1-C163 "GRM033R60J104KE19D" CAPC0603X33X15LL03T05 77.925,78.95 r180 bottom locked (schematic designator C163)
AB1-C164 "GRM033R60J104KE19D" CAPC0603X33X15LL03T05 75.95,80.9 r180 bottom locked (schematic designator C164)
AB1-C165 "GRM033R60J104KE19D" CAPC0603X33X15LL03T05 76.925,81.9 r180 bottom locked (schematic designator C165)
AB1-C166 "GRM033R60J104KE19D" CAPC0603X33X15LL03T05 83.175,76.675 r90 bottom locked (schematic designator C166)
AB1-C167 "GRM31CR60J107ME39L" CAPC3216X190X55ML30T25 73.3,49 r90 bottom locked (schematic designator C167)
AB1-C168 "GRM31CR60J107ME39L" CAPC3216X190X55ML30T25 77.3,100.1 r270 bottom locked (schematic designator C168)
AB1-C169 "GRM033R60J104KE19D" CAPC0603X33X15LL03T05 77,75.95 r180 bottom locked (schematic designator C169)
AB1-C170 "GRM033R60J104KE19D" CAPC0603X33X15LL03T05 78.925,76.925 r180 bottom locked (schematic designator C170)
AB1-C171 "GRM033R60J104KE19D" CAPC0603X33X15LL03T05 76.975,74.925 r180 bottom locked (schematic designator C171)
AB1-C172 "GRM033R60J104KE19D" CAPC0603X33X15LL03T05 75.875,72.9 r180 bottom locked (schematic designator C172)
AB1-C173 "GRM033R60J104KE19D" CAPC0603X33X15LL03T05 76.9,72.925 r180 bottom locked (schematic designator C173)
AB1-C174 "GRM033R60J104KE19D" CAPC0603X33X15LL03T05 78.95,72.95 r180 bottom locked (schematic designator C174)
AB1-C175 "GRM033R60J104KE19D" CAPC0603X33X15LL03T05 81.025,74.95 r180 bottom locked (schematic designator C175)
AB1-C176 "GRM033R60J104KE19D" CAPC0603X33X15LL03T05 87.65,75.925 r180 bottom locked (schematic designator C176)
AB1-C177 "GRM033R60J104KE19D" CAPC0603X33X15LL03T05 74.525,76.95 r0 bottom locked (schematic designator C177)
AB1-C178 "GRM31CR60J107ME39L" CAPC3216X190X55ML30T25 62.35,97.13 r0 bottom (schematic designator C178)
AB1-C179 "GRM31CR60J107ME39L" CAPC3216X190X55ML30T25 68.375,53.375 r0 bottom locked (schematic designator C179)
AB1-C180 "GRM033R60J104KE19D" CAPC0603X33X15LL03T05 86.225,75.125 r90 bottom locked (schematic designator C180)
AB1-C181 "GRM033R60J104KE19D" CAPC0603X33X15LL03T05 87.55,76.925 r180 bottom locked (schematic designator C181)
AB1-C182 "GRM033R60J104KE19D" CAPC0603X33X15LL03T05 74.925,78.925 r180 bottom locked (schematic designator C182)
AB1-C183 "GRM033R60J104KE19D" CAPC0603X33X15LL03T05 74.525,75.95 r0 bottom locked (schematic designator C183)
AB1-C184 "GRM033R60J104KE19D" CAPC0603X33X15LL03T05 73.7,81.925 r0 bottom locked (schematic designator C184)
AB1-C185 "GRM033R60J104KE19D" CAPC0603X33X15LL03T05 74.875,81.925 r180 bottom locked (schematic designator C185)
AB1-C186 "GRM033R60J104KE19D" CAPC0603X33X15LL03T05 79.075,75 r180 bottom locked (schematic designator C186)
AB1-C187 "GRM033R60J104KE19D" CAPC0603X33X15LL03T05 87.65,71.95 r180 bottom locked (schematic designator C187)
AB1-C188 "GRM31CR60J107ME39L" CAPC3216X190X55ML30T25 88.57,100.44 r180 bottom (schematic designator C188)
AB1-C189 "GRM31CR60J107ME39L" CAPC3216X190X55ML30T25 71.46,101.45 r270 bottom (schematic designator C189)
AB1-C190 "GRM033R60J104KE19D" CAPC0603X33X15LL03T05 82.025,76.975 r180 bottom locked (schematic designator C190)
AB1-C191 "GRM033R60J104KE19D" CAPC0603X33X15LL03T05 76.875,71.9 r180 bottom locked (schematic designator C191)
AB1-C192 "GRM033R60J104KE19D" CAPC0603X33X15LL03T05 77.925,72.925 r180 bottom locked (schematic designator C192)
AB1-C193 "GRM033R60J104KE19D" CAPC0603X33X15LL03T05 83.2,75.025 r90 bottom locked (schematic designator C193)
AB1-C194 "GRM033R60J104KE19D" CAPC0603X33X15LL03T05 87.625,74.925 r180 bottom locked (schematic designator C194)
AB1-C195 "GRM033R60J104KE19D" CAPC0603X33X15LL03T05 87.65,73.95 r0 bottom locked (schematic designator C195)
AB1-C196 "GRM033R60J104KE19D" CAPC0603X33X15LL03T05 84.375,74.95 r180 bottom locked (schematic designator C196)
AB1-C197 "GRM033R60J104KE19D" CAPC0603X33X15LL03T05 73.675,80.95 r0 bottom locked (schematic designator C197)
AB1-C198 "GRM033R60J104KE19D" CAPC0603X33X15LL03T05 78.6,80.925 r0 bottom locked (schematic designator C198)
AB1-C199 "GRM033R60J104KE19D" CAPC0603X33X15LL03T05 79.925,80.95 r180 bottom locked (schematic designator C199)
AB1-C200 "GRM033R60J104KE19D" CAPC0603X33X15LL03T05 73.8,78.975 r0 bottom locked (schematic designator C200)
AB1-C201 "GRM033R60J104KE19D" CAPC0603X33X15LL03T05 75.9,82.9 r180 bottom locked (schematic designator C201)
AB1-C202 "GRM033R60J104KE19D" CAPC0603X33X15LL03T05 77.9,76.925 r180 bottom locked (schematic designator C202)
AB1-C203 "GRM033R60J104KE19D" CAPC0603X33X15LL03T05 74.475,73.95 r0 bottom locked (schematic designator C203)
AB1-C204 "GRM033R60J104KE19D" CAPC0603X33X15LL03T05 74.525,71.925 r0 bottom locked (schematic designator C204)